# Altium PCB JTAG批量下载板-V1.6-ASCII.PcbDoc (part 8 of 14) (continued)
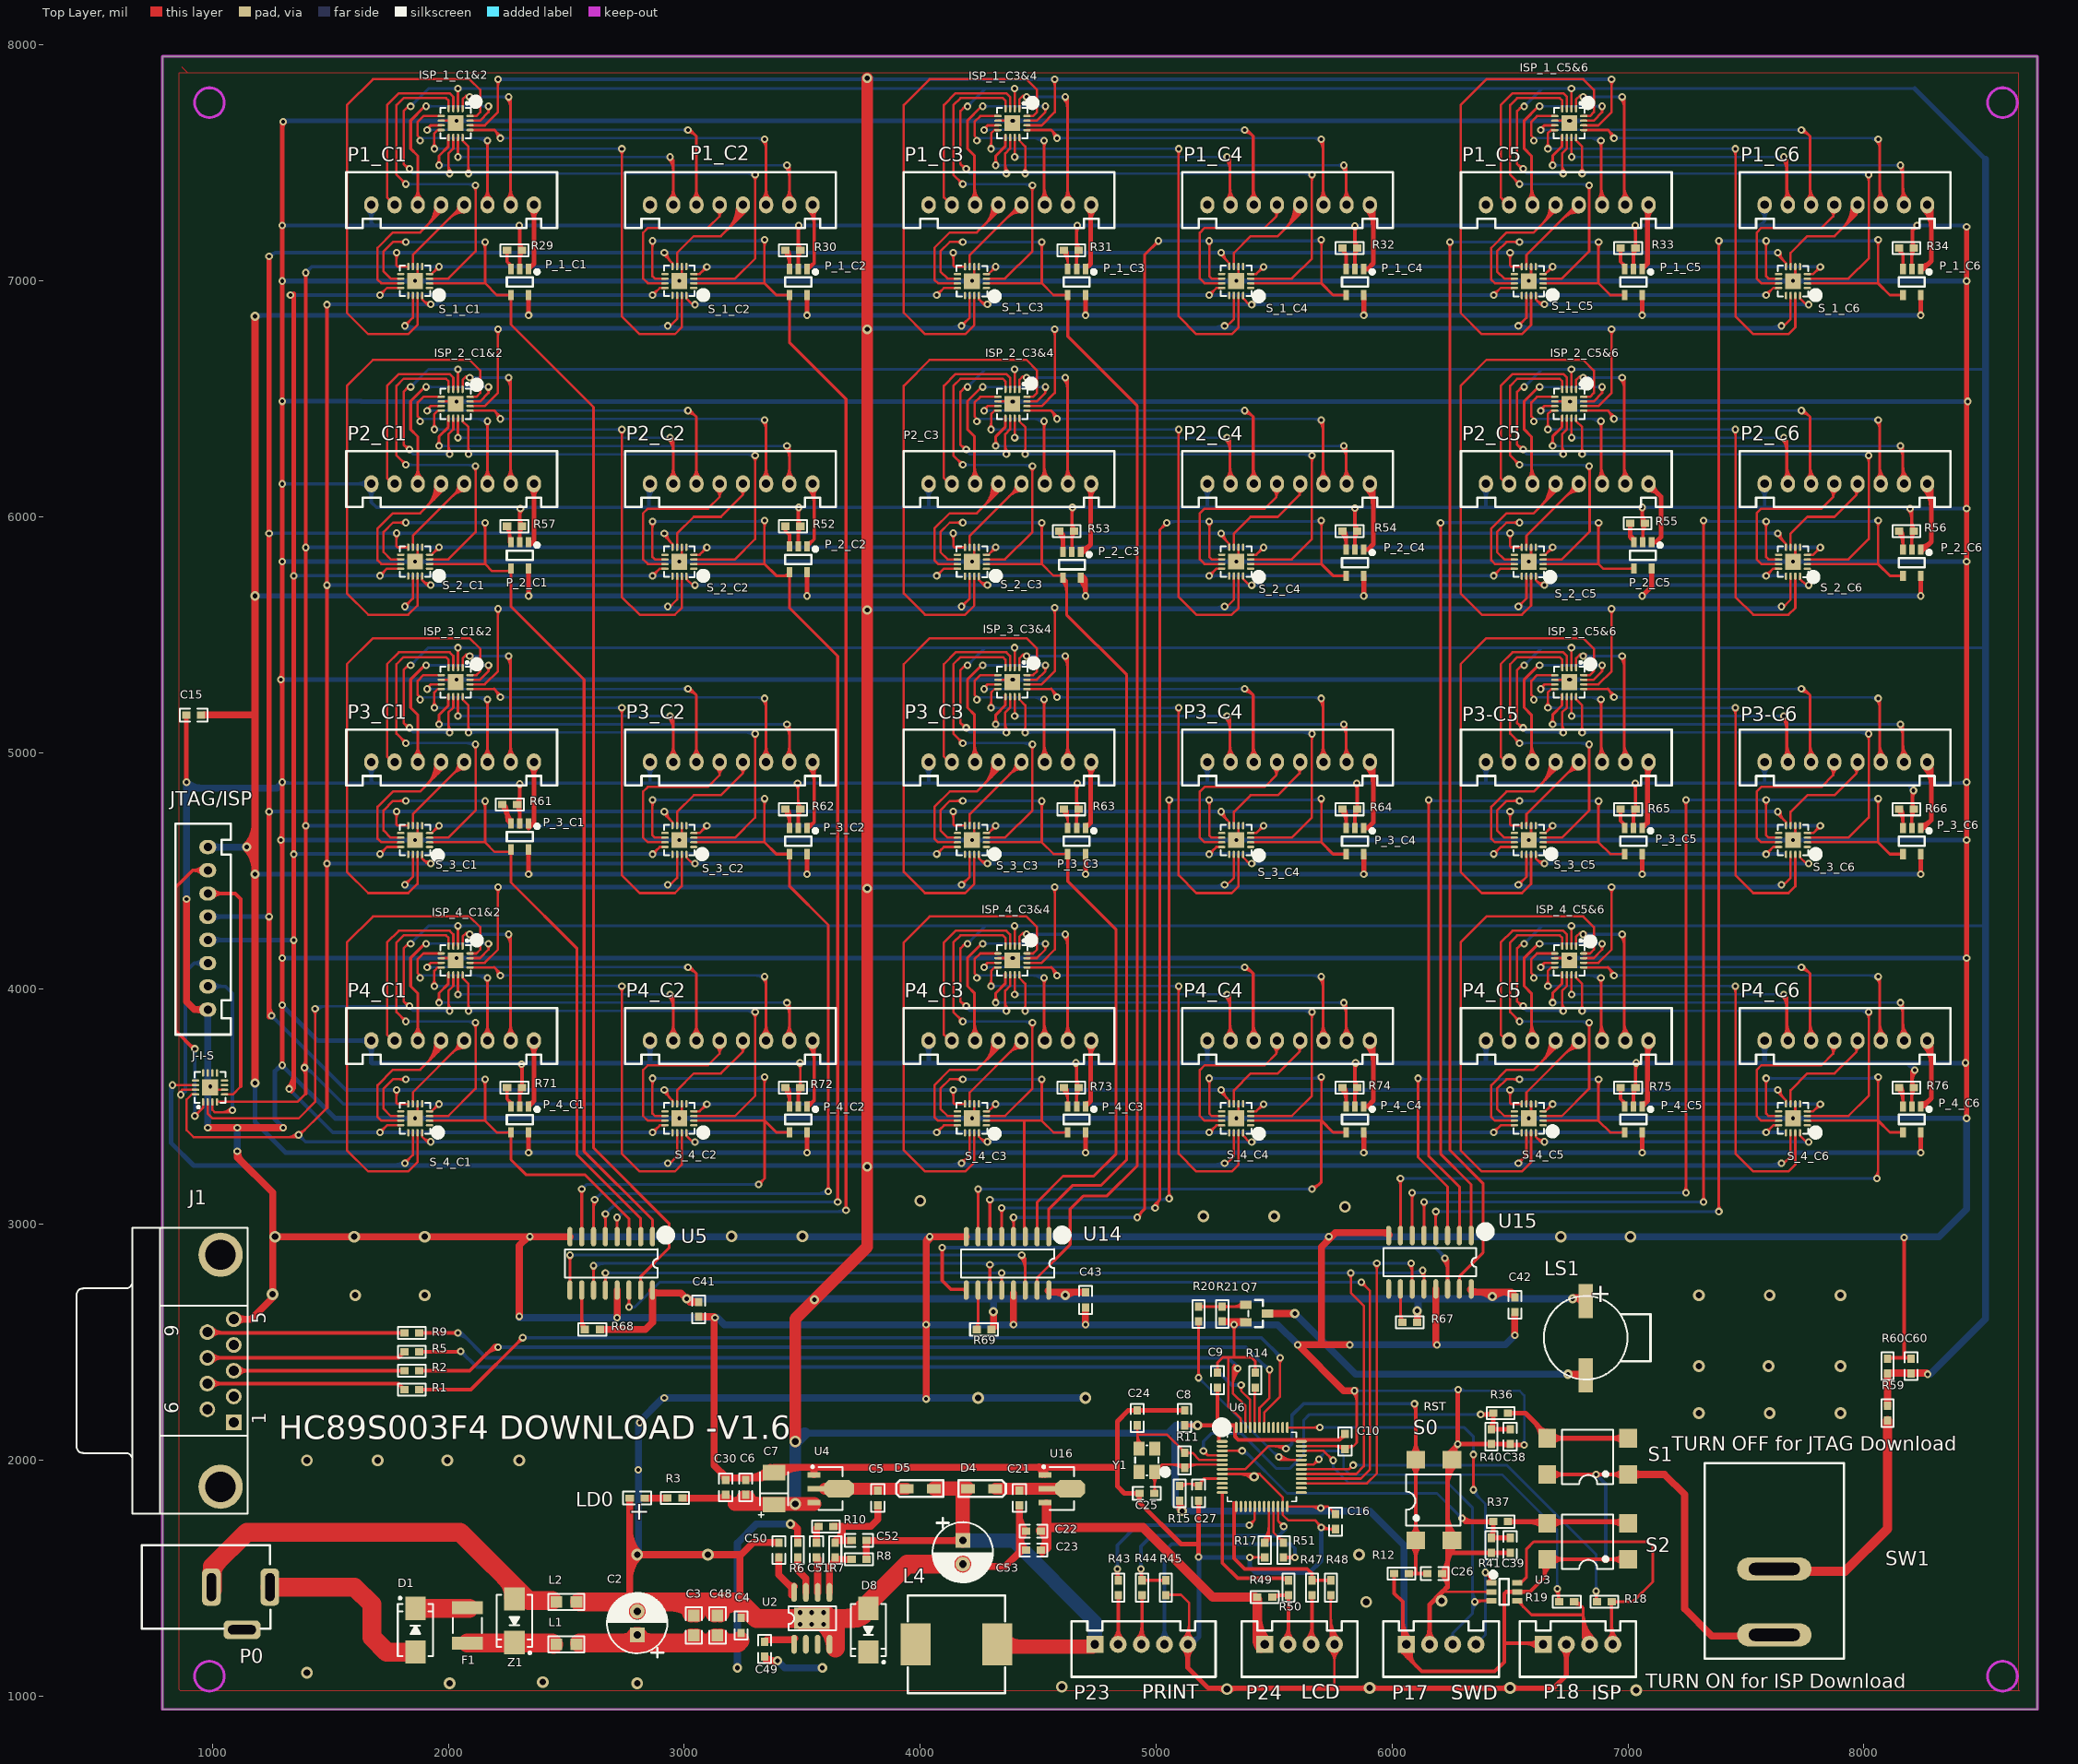
[diagram p0: Top Layer view]
## Nets (pads, with @x,y where several pads share a name; then routed paths per layer and width w, separated by ;. In a path a pad name is that pad's centre, name@x,y a point inside that pad or via, vN(x,y) a via of type N, cw(c..) or ccw(c..) an arc to the next point about the centre after c; other vN are vias at no path point) (continued)
  Bottom Layer w20: 8214.45,7815.55 8515,7515
  Bottom Layer w30: v1@8280,2365 8515,2600 8515,7515 ; v1@8270,2366 ccw(c8270,2392.56) 8288.78,2373.78 cw(c8270,2392.56) v1@8270,2366
  other v1: 1435,3915 4195,3925.55 6555,3925.55 1835,5105.55 4195,5105.55 6555,5105.55 1835,6285.55 4195,6285.55 6555,6285.55 1835,7475.55 4195,7475.55 6555,7475.55
JTAG_3.3V: J1.1
JTAG_BUSY: R5.2 U6.45 | length 4521
  Top Layer w10: v1(5360,2320) 5360,2295 ; U6.45@5398.11,2139.06 5398.11,2256.89 5360,2295 ; v1@5352.57,2311.89 cw(c5337.09,2295) 5360,2295 ; v1@5352.57,2311.89 cw(c5337.09,2295) 5360,2295 ; v1@5352.57,2311.89 cw(c5337.09,2295) 5360,2295 ; v1@5352.57,2311.89 cw(c5337.09,2295) 5360,2295 ; v1@5352.57,2311.89 cw(c5337.09,2295) 5360,2295 ; 5360,2295 cw(c5382.91,2295) v1@5367.43,2311.89 ; 5360,2295 cw(c5382.91,2295) v1@5367.43,2311.89 ; 5360,2295 cw(c5382.91,2295) v1@5367.43,2311.89 ; 5360,2295 cw(c5382.91,2295) v1@5367.43,2311.89 ; 5360,2295 cw(c5382.91,2295) v1@5367.43,2311.89
  Top Layer w15: R5.2@1875,2460 v1@2050,2460 ; R5.2@1884.3,2454.17 cw(c1898.38,2440.09) 1898.38,2460 ; R5.2@1884.3,2454.17 cw(c1898.38,2440.09) 1898.38,2460 ; R5.2@1884.3,2454.17 cw(c1898.38,2440.09) 1898.38,2460 ; R5.2@1884.3,2454.17 cw(c1898.38,2440.09) 1898.38,2460 ; R5.2@1884.3,2454.17 cw(c1898.38,2440.09) 1898.38,2460 ; R5.2@1884.3,2465.83 ccw(c1898.38,2479.91) 1898.38,2460 ; R5.2@1884.3,2465.83 ccw(c1898.38,2479.91) 1898.38,2460 ; R5.2@1884.3,2465.83 ccw(c1898.38,2479.91) 1898.38,2460 ; R5.2@1884.3,2465.83 ccw(c1898.38,2479.91) 1898.38,2460 ; R5.2@1884.3,2465.83 ccw(c1898.38,2479.91) 1898.38,2460 ; 2025.94,2460 ccw(c2025.94,2489.06) v1@2046.49,2468.51 ; 2025.94,2460 ccw(c2025.94,2489.06) v1@2046.49,2468.51 ; 2025.94,2460 ccw(c2025.94,2489.06) v1@2046.49,2468.51 ; 2025.94,2460 ccw(c2025.94,2489.06) v1@2046.49,2468.51 ; 2025.94,2460 ccw(c2025.94,2489.06) v1@2046.49,2468.51
  Bottom Layer w15: v1(2052.5,2462.5) 2120,2395 5245,2395 5320,2320 v1(5360,2320) ; v1@2052.5,2454 cw(c2052.5,2433.48) 2067.01,2447.99 ; v1@2052.5,2454 cw(c2052.5,2433.48) 2067.01,2447.99 ; v1@2052.5,2454 cw(c2052.5,2433.48) 2067.01,2447.99 ; v1@2052.5,2454 cw(c2052.5,2433.48) 2067.01,2447.99 ; v1@2052.5,2454 cw(c2052.5,2433.48) 2067.01,2447.99 ; v1@2061,2462.5 ccw(c2081.52,2462.5) 2067.01,2447.99 ; v1@2061,2462.5 ccw(c2081.52,2462.5) 2067.01,2447.99 ; v1@2061,2462.5 ccw(c2081.52,2462.5) 2067.01,2447.99 ; v1@2061,2462.5 ccw(c2081.52,2462.5) 2067.01,2447.99 ; v1@2061,2462.5 ccw(c2081.52,2462.5) 2067.01,2447.99 ; 5339.48,2320 cw(c5339.48,2299.48) v1@5353.99,2313.99 ; 5339.48,2320 ccw(c5339.48,2340.52) v1@5353.99,2326.01 ; 5339.48,2320 cw(c5339.48,2299.48) v1@5353.99,2313.99 ; 5339.48,2320 ccw(c5339.48,2340.52) v1@5353.99,2326.01 ; 5339.48,2320 cw(c5339.48,2299.48) v1@5353.99,2313.99 ; 5339.48,2320 ccw(c5339.48,2340.52) v1@5353.99,2326.01 ; 5339.48,2320 cw(c5339.48,2299.48) v1@5353.99,2313.99 ; 5339.48,2320 ccw(c5339.48,2340.52) v1@5353.99,2326.01 ; 5339.48,2320 cw(c5339.48,2299.48) v1@5353.99,2313.99 ; 5339.48,2320 ccw(c5339.48,2340.52) v1@5353.99,2326.01
JTAG_FAIL: R9.2 U6.46 | length 4608.9
  Top Layer w10: 5325,2315.16 cw(c5419.84,2315.16) v1@5352.78,2382.22 ; 5325,2339.3 cw(c5395.7,2339.3) v1@5345.71,2389.29 ; 5325,2363.44 cw(c5371.56,2363.44) v1@5338.64,2396.36 ; 5325,2387.59 cw(c5347.41,2387.59) 5331.56,2403.44 ; 5326.76,2386.76 cw(c5337.18,2376.33) v1@5344.5,2389.13 ; v1@5335,2395 5325,2385 5325,2285 5378.43,2231.57 U6.46@5378.43,2139.06
  Top Layer w15: R9.2@1885,2540 v1(2040,2540) ; R9.2@1884.3,2534.17 cw(c1898.38,2520.09) 1898.38,2540 ; R9.2@1884.3,2534.17 cw(c1898.38,2520.09) 1898.38,2540 ; R9.2@1884.3,2534.17 cw(c1898.38,2520.09) 1898.38,2540 ; R9.2@1884.3,2534.17 cw(c1898.38,2520.09) 1898.38,2540 ; R9.2@1884.3,2534.17 cw(c1898.38,2520.09) 1898.38,2540 ; R9.2@1884.3,2545.83 ccw(c1898.38,2559.91) 1898.38,2540 ; R9.2@1884.3,2545.83 ccw(c1898.38,2559.91) 1898.38,2540 ; R9.2@1884.3,2545.83 ccw(c1898.38,2559.91) 1898.38,2540 ; R9.2@1884.3,2545.83 ccw(c1898.38,2559.91) 1898.38,2540 ; R9.2@1884.3,2545.83 ccw(c1898.38,2559.91) 1898.38,2540 ; 2019.48,2540 cw(c2019.48,2519.48) v1@2033.99,2533.99 ; 2019.48,2540 ccw(c2019.48,2560.52) v1@2033.99,2546.01 ; 2019.48,2540 cw(c2019.48,2519.48) v1@2033.99,2533.99 ; 2019.48,2540 ccw(c2019.48,2560.52) v1@2033.99,2546.01 ; 2019.48,2540 cw(c2019.48,2519.48) v1@2033.99,2533.99 ; 2019.48,2540 ccw(c2019.48,2560.52) v1@2033.99,2546.01 ; 2019.48,2540 cw(c2019.48,2519.48) v1@2033.99,2533.99 ; 2019.48,2540 ccw(c2019.48,2560.52) v1@2033.99,2546.01 ; 2019.48,2540 cw(c2019.48,2519.48) v1@2033.99,2533.99 ; 2019.48,2540 ccw(c2019.48,2560.52) v1@2033.99,2546.01
  Bottom Layer w15: v1(2040,2540) 2055,2540 2160,2435 5305,2435 5345,2395 v1(5345,2390) ; v1@2040,2531.5 cw(c2040,2474.77) 2080.12,2514.88 ; v1@2040,2531.5 cw(c2040,2474.77) 2080.12,2514.88 ; v1@2040,2531.5 cw(c2040,2474.77) 2080.12,2514.88 ; v1@2040,2531.5 cw(c2040,2474.77) 2080.12,2514.88 ; 5326.95,2413.05 cw(c5303.91,2390) v1@5336.5,2390 ; 5326.95,2413.05 cw(c5303.91,2390) v1@5336.5,2390 ; 5326.95,2413.05 cw(c5303.91,2390) v1@5336.5,2390 ; 5326.95,2413.05 cw(c5303.91,2390) v1@5336.5,2390
JTAG_OK: R2.2 U6.43 | length 5377.7
  Top Layer w10: U6.43@5437.48,2139.06 5437.48,2222.48 5480,2265 v1(5480,2385) ; v1@5472.22,2377.22 cw(c5453.44,2358.44) 5480,2358.44 ; v1@5472.22,2377.22 cw(c5453.44,2358.44) 5480,2358.44 ; v1@5472.22,2377.22 cw(c5453.44,2358.44) 5480,2358.44 ; v1@5472.22,2377.22 cw(c5453.44,2358.44) 5480,2358.44 ; v1@5472.22,2377.22 cw(c5453.44,2358.44) 5480,2358.44 ; 5480,2358.44 cw(c5506.56,2358.44) v1@5487.78,2377.22 ; 5480,2358.44 cw(c5506.56,2358.44) v1@5487.78,2377.22 ; 5480,2358.44 cw(c5506.56,2358.44) v1@5487.78,2377.22 ; 5480,2358.44 cw(c5506.56,2358.44) v1@5487.78,2377.22 ; 5480,2358.44 cw(c5506.56,2358.44) v1@5487.78,2377.22
  Top Layer w15: R2.2@1876.5,2380 2090,2380 2190,2480 ; v1(2210,2480) 2190,2480 ; R2.2@1884.3,2374.17 cw(c1898.38,2360.09) 1898.38,2380 ; R2.2@1884.3,2374.17 cw(c1898.38,2360.09) 1898.38,2380 ; R2.2@1884.3,2374.17 cw(c1898.38,2360.09) 1898.38,2380 ; R2.2@1884.3,2374.17 cw(c1898.38,2360.09) 1898.38,2380 ; R2.2@1884.3,2374.17 cw(c1898.38,2360.09) 1898.38,2380 ; R2.2@1884.3,2385.83 ccw(c1898.38,2399.91) 1898.38,2380 ; R2.2@1884.3,2385.83 ccw(c1898.38,2399.91) 1898.38,2380 ; R2.2@1884.3,2385.83 ccw(c1898.38,2399.91) 1898.38,2380 ; R2.2@1884.3,2385.83 ccw(c1898.38,2399.91) 1898.38,2380 ; R2.2@1884.3,2385.83 ccw(c1898.38,2399.91) 1898.38,2380 ; 2161.35,2451.35 cw(c2210,2402.69) v1@2210,2471.5 ; 2161.35,2451.35 cw(c2210,2402.69) v1@2210,2471.5 ; 2161.35,2451.35 cw(c2210,2402.69) v1@2210,2471.5 ; 2161.35,2451.35 cw(c2210,2402.69) v1@2210,2471.5 ; 2161.35,2451.35 cw(c2210,2402.69) v1@2210,2471.5 ; 2180,2470 cw(c2194.49,2455.51) v1@2205.45,2472.82 ; 2180,2470 cw(c2194.49,2455.51) v1@2205.45,2472.82 ; 2180,2470 cw(c2194.49,2455.51) v1@2205.45,2472.82 ; 2180,2470 cw(c2194.49,2455.51) v1@2205.45,2472.82 ; 2180,2470 cw(c2194.49,2455.51) v1@2205.45,2472.82 ; 2186.95,2476.95 cw(c2210,2453.91) v1@2210,2486.5 ; 2186.95,2476.95 cw(c2210,2453.91) v1@2210,2486.5 ; 2186.95,2476.95 cw(c2210,2453.91) v1@2210,2486.5 ; 2186.95,2476.95 cw(c2210,2453.91) v1@2210,2486.5 ; 2186.95,2476.95 cw(c2210,2453.91) v1@2210,2486.5 ; 2190,2480 cw(c2190,2460.72) v1@2203.88,2474.1 ; 2190,2480 ccw(c2190,2499.28) v1@2203.88,2485.9 ; 2190,2480 cw(c2190,2460.72) v1@2203.88,2474.1 ; 2190,2480 ccw(c2190,2499.28) v1@2203.88,2485.9 ; 2190,2480 cw(c2190,2460.72) v1@2203.88,2474.1 ; 2190,2480 ccw(c2190,2499.28) v1@2203.88,2485.9 ; 2190,2480 cw(c2190,2460.72) v1@2203.88,2474.1 ; 2190,2480 ccw(c2190,2499.28) v1@2203.88,2485.9 ; 2190,2480 cw(c2190,2460.72) v1@2203.88,2474.1 ; 2190,2480 ccw(c2190,2499.28) v1@2203.88,2485.9 ; 2193.25,2483.25 cw(c2204.76,2471.74) v1@2213.48,2485.49 ; 2193.25,2483.25 cw(c2204.76,2471.74) v1@2213.48,2485.49 ; 2193.25,2483.25 cw(c2204.76,2471.74) v1@2213.48,2485.49 ; 2193.25,2483.25 cw(c2204.76,2471.74) v1@2213.48,2485.49 ; 2193.25,2483.25 cw(c2204.76,2471.74) v1@2213.48,2485.49
  Bottom Layer w15: v1(2210,2480) 5380,2480 5475,2385 v1(5480,2385) ; v1@2216.01,2473.99 cw(c2230.52,2459.48) 2230.52,2480 ; v1@2216.01,2473.99 cw(c2230.52,2459.48) 2230.52,2480 ; v1@2216.01,2473.99 cw(c2230.52,2459.48) 2230.52,2480 ; v1@2216.01,2473.99 cw(c2230.52,2459.48) 2230.52,2480 ; v1@2216.01,2473.99 cw(c2230.52,2459.48) 2230.52,2480 ; v1@2216.01,2486.01 ccw(c2230.52,2500.52) 2230.52,2480 ; v1@2216.01,2486.01 ccw(c2230.52,2500.52) 2230.52,2480 ; v1@2216.01,2486.01 ccw(c2230.52,2500.52) 2230.52,2480 ; v1@2216.01,2486.01 ccw(c2230.52,2500.52) 2230.52,2480 ; v1@2216.01,2486.01 ccw(c2230.52,2500.52) 2230.52,2480 ; 5456.95,2403.05 ccw(c5480,2426.09) v1@5480,2393.5 ; 5456.95,2403.05 ccw(c5480,2426.09) v1@5480,2393.5 ; 5456.95,2403.05 ccw(c5480,2426.09) v1@5480,2393.5 ; 5456.95,2403.05 ccw(c5480,2426.09) v1@5480,2393.5
JTAG_START: R1.2 U6.42 | length 4891.5
  Top Layer w10: U6.42@5457.17,2139.06 5457.17,2202.17 5525,2270 v1(5525,2435) ; v1@5517.22,2427.22 cw(c5498.44,2408.44) 5525,2408.44 ; v1@5517.22,2427.22 cw(c5498.44,2408.44) 5525,2408.44 ; v1@5517.22,2427.22 cw(c5498.44,2408.44) 5525,2408.44 ; v1@5517.22,2427.22 cw(c5498.44,2408.44) 5525,2408.44 ; v1@5517.22,2427.22 cw(c5498.44,2408.44) 5525,2408.44 ; 5525,2408.44 cw(c5551.56,2408.44) v1@5532.78,2427.22 ; 5525,2408.44 cw(c5551.56,2408.44) v1@5532.78,2427.22 ; 5525,2408.44 cw(c5551.56,2408.44) v1@5532.78,2427.22 ; 5525,2408.44 cw(c5551.56,2408.44) v1@5532.78,2427.22 ; 5525,2408.44 cw(c5551.56,2408.44) v1@5532.78,2427.22
  Top Layer w15: R1.2@1876.5,2300 2095,2300 v1(2315,2520) ; R1.2@1884.3,2294.17 cw(c1898.38,2280.09) 1898.38,2300 ; R1.2@1884.3,2294.17 cw(c1898.38,2280.09) 1898.38,2300 ; R1.2@1884.3,2294.17 cw(c1898.38,2280.09) 1898.38,2300 ; R1.2@1884.3,2294.17 cw(c1898.38,2280.09) 1898.38,2300 ; R1.2@1884.3,2294.17 cw(c1898.38,2280.09) 1898.38,2300 ; R1.2@1884.3,2305.83 ccw(c1898.38,2319.91) 1898.38,2300 ; R1.2@1884.3,2305.83 ccw(c1898.38,2319.91) 1898.38,2300 ; R1.2@1884.3,2305.83 ccw(c1898.38,2319.91) 1898.38,2300 ; R1.2@1884.3,2305.83 ccw(c1898.38,2319.91) 1898.38,2300 ; R1.2@1884.3,2305.83 ccw(c1898.38,2319.91) 1898.38,2300 ; 2300.49,2505.49 cw(c2315,2490.98) v1@2315,2511.5 ; 2300.49,2505.49 ccw(c2285.98,2520) v1@2306.5,2520 ; 2300.49,2505.49 cw(c2315,2490.98) v1@2315,2511.5 ; 2300.49,2505.49 ccw(c2285.98,2520) v1@2306.5,2520 ; 2300.49,2505.49 cw(c2315,2490.98) v1@2315,2511.5 ; 2300.49,2505.49 ccw(c2285.98,2520) v1@2306.5,2520 ; 2300.49,2505.49 cw(c2315,2490.98) v1@2315,2511.5 ; 2300.49,2505.49 ccw(c2285.98,2520) v1@2306.5,2520 ; 2300.49,2505.49 cw(c2315,2490.98) v1@2315,2511.5 ; 2300.49,2505.49 ccw(c2285.98,2520) v1@2306.5,2520
  Bottom Layer w15: v1(2315,2520) 5445,2520 5525,2440 v1(5525,2435) ; v1@2321.01,2513.99 cw(c2335.52,2499.48) 2335.52,2520 ; v1@2321.01,2513.99 cw(c2335.52,2499.48) 2335.52,2520 ; v1@2321.01,2513.99 cw(c2335.52,2499.48) 2335.52,2520 ; v1@2321.01,2513.99 cw(c2335.52,2499.48) 2335.52,2520 ; v1@2321.01,2513.99 cw(c2335.52,2499.48) 2335.52,2520 ; v1@2321.01,2526.01 ccw(c2335.52,2540.52) 2335.52,2520 ; v1@2321.01,2526.01 ccw(c2335.52,2540.52) 2335.52,2520 ; v1@2321.01,2526.01 ccw(c2335.52,2540.52) 2335.52,2520 ; v1@2321.01,2526.01 ccw(c2335.52,2540.52) 2335.52,2520 ; v1@2321.01,2526.01 ccw(c2335.52,2540.52) 2335.52,2520 ; 5506.95,2458.05 cw(c5483.91,2435) v1@5516.5,2435 ; 5506.95,2458.05 cw(c5483.91,2435) v1@5516.5,2435 ; 5506.95,2458.05 cw(c5483.91,2435) v1@5516.5,2435 ; 5506.95,2458.05 cw(c5483.91,2435) v1@5516.5,2435
JTAG_TCK: JTAG/ISP.4 S_1_C1.8 S_1_C2.8 S_1_C3.8 S_1_C4.8 S_1_C5.8 S_1_C6.8 S_2_C1.8 S_2_C2.8 S_2_C3.8 S_2_C4.8 S_2_C5.8 S_2_C6.8 S_3_C1.8 S_3_C2.8 S_3_C3.8 S_3_C4.8 S_3_C5.8 S_3_C6.8 S_4_C1.8 S_4_C2.8 S_4_C3.8 S_4_C4.8 S_4_C5.8 S_4_C6.8 | length 37046.1
  Top Layer w10: v1(1780,3570.55) 1780,3515.55 1784.45,3511.1 S_4_C1.8@1829.45,3511.05 ; v1(1780,4750.55) 1780,4695.55 1784.45,4691.1 S_3_C1.8@1829.45,4691.05 ; v1(1780,5930.55) 1780,5875.55 1784.45,5871.1 S_2_C1.8@1829.45,5871.05 ; v1(1780,7120.55) 1780,7065.55 1784.45,7061.1 S_1_C1.8@1829.45,7061.1 ; v1(2915,3570) 2915,3560 2949.45,3525.55 S_4_C2.8@2949.45,3511.05 ; v1(2915,4750) 2915,4740 2949.45,4705.55 S_3_C2.8@2949.45,4691.05 ; v1(2915,5930) 2915,5920 2949.45,5885.55 S_2_C2.8@2949.45,5871.1 ; v1(2915,7120) 2915,7110 2949.45,7075.55 S_1_C2.8@2949.45,7061.1 ; v1(4140,3570.55) 4140,3515.55 4144.45,3511.1 S_4_C3.8@4189.45,3511.05 ; v1(4140,4750.55) 4140,4695.55 4144.45,4691.1 S_3_C3.8@4189.45,4691.05 ; v1(4140,5930.55) 4140,5875.55 4144.45,5871.1 S_2_C3.8@4189.45,5871.1 ; v1(4140,7120.55) 4140,7065.55 4144.45,7061.1 S_1_C3.8@4189.45,7061.1 ; v1(5275,3570) 5275,3560 5309.45,3525.55 S_4_C4.8@5309.45,3511.05 ; v1(5275,4750) 5275,4740 5309.45,4705.55 S_3_C4.8@5309.45,4691.05 ; v1(5275,5930) 5275,5920 5309.45,5885.55 S_2_C4.8@5309.45,5871.05 ; v1(5275,7120) 5275,7110 5309.45,7075.55 S_1_C4.8@5309.45,7061.05 ; v1(6500,3570.55) 6500,3515.55 6504.45,3511.1 S_4_C5.8@6549.45,3511.05 ; v1(6500,4750.55) 6500,4695.55 6504.45,4691.1 S_3_C5.8@6549.45,4691.05 ; v1(6500,5930.55) 6500,5875.55 6504.45,5871.1 S_2_C5.8@6549.45,5871.1 ; v1(6500,7120.55) 6500,7065.55 6504.45,7061.1 S_1_C5.8@6549.45,7061.1 ; v1(7635,3570) 7635,3560 7669.45,3525.55 S_4_C6.8@7669.45,3511.05 ; v1(7635,4750) 7635,4740 7669.45,4705.55 S_3_C6.8@7669.45,4691.05 ; v1(7635,5930) 7635,5920 7669.45,5885.55 S_2_C6.8@7669.45,5871.1 ; v1(7635,7120) 7635,7110 7669.45,7075.55 S_1_C6.8@7669.45,7061.1 ; 1780,3543.99 cw(c1806.56,3543.99) 1787.78,3562.77 ccw(c1806.56,3543.99) 1780,3543.99 ; 1780,3543.99 ccw(c1753.44,3543.99) 1772.22,3562.77 cw(c1753.44,3543.99) 1780,3543.99 ; 1780,4723.99 cw(c1806.56,4723.99) 1787.78,4742.77 ccw(c1806.56,4723.99) 1780,4723.99 ; 1780,4723.99 ccw(c1753.44,4723.99) 1772.22,4742.77 cw(c1753.44,4723.99) 1780,4723.99 ; 1780,5903.99 cw(c1806.56,5903.99) 1787.78,5922.77 ccw(c1806.56,5903.99) 1780,5903.99 ; 1780,5903.99 ccw(c1753.44,5903.99) 1772.22,5922.77 cw(c1753.44,5903.99) 1780,5903.99 ; 1780,7093.99 cw(c1806.56,7093.99) 1787.78,7112.77 ccw(c1806.56,7093.99) 1780,7093.99 ; 1780,7093.99 ccw(c1753.44,7093.99) 1772.22,7112.77 cw(c1753.44,7093.99) 1780,7093.99 ; 4140,3543.99 cw(c4166.56,3543.99) 4147.78,3562.77 ccw(c4166.56,3543.99) 4140,3543.99 ; 4140,3543.99 ccw(c4113.44,3543.99) 4132.22,3562.77 cw(c4113.44,3543.99) 4140,3543.99 ; 4140,4723.99 cw(c4166.56,4723.99) 4147.78,4742.77 ccw(c4166.56,4723.99) 4140,4723.99 ; 4140,4723.99 ccw(c4113.44,4723.99) 4132.22,4742.77 cw(c4113.44,4723.99) 4140,4723.99 ; 4140,5903.99 cw(c4166.56,5903.99) 4147.78,5922.77 ccw(c4166.56,5903.99) 4140,5903.99 ; 4140,5903.99 ccw(c4113.44,5903.99) 4132.22,5922.77 cw(c4113.44,5903.99) 4140,5903.99 ; 4140,7093.99 cw(c4166.56,7093.99) 4147.78,7112.77 ccw(c4166.56,7093.99) 4140,7093.99 ; 4140,7093.99 ccw(c4113.44,7093.99) 4132.22,7112.77 cw(c4113.44,7093.99) 4140,7093.99 ; 6500,3543.99 cw(c6526.56,3543.99) 6507.78,3562.77 ccw(c6526.56,3543.99) 6500,3543.99 ; 6500,3543.99 ccw(c6473.44,3543.99) 6492.22,3562.77 cw(c6473.44,3543.99) 6500,3543.99 ; 6500,4723.99 cw(c6526.56,4723.99) 6507.78,4742.77 ccw(c6526.56,4723.99) 6500,4723.99 ; 6500,4723.99 ccw(c6473.44,4723.99) 6492.22,4742.77 cw(c6473.44,4723.99) 6500,4723.99 ; 6500,5903.99 cw(c6526.56,5903.99) 6507.78,5922.77 ccw(c6526.56,5903.99) 6500,5903.99 ; 6500,5903.99 ccw(c6473.44,5903.99) 6492.22,5922.77 cw(c6473.44,5903.99) 6500,5903.99 ; 6500,7093.99 cw(c6526.56,7093.99) 6507.78,7112.77 ccw(c6526.56,7093.99) 6500,7093.99 ; 6500,7093.99 ccw(c6473.44,7093.99) 6492.22,7112.77 cw(c6473.44,7093.99) 6500,7093.99 ; v1@2916,3570 ccw(c2942.56,3570) 2923.78,3551.22 cw(c2942.56,3570) v1@2916,3570 ; v1@2916,4750 ccw(c2942.56,4750) 2923.78,4731.22 cw(c2942.56,4750) v1@2916,4750 ; v1@2916,5930 ccw(c2942.56,5930) 2923.78,5911.22 cw(c2942.56,5930) v1@2916,5930 ; v1@2916,7120 ccw(c2942.56,7120) 2923.78,7101.22 cw(c2942.56,7120) v1@2916,7120 ; v1@2926,3570 ccw(c2976.7,3570) 2940.85,3534.15 cw(c2976.7,3570) v1@2926,3570 ; v1@2926,4750 ccw(c2976.7,4750) 2940.85,4714.15 cw(c2976.7,4750) v1@2926,4750 ; v1@2926,5930 ccw(c2976.7,5930) 2940.85,5894.15 cw(c2976.7,5930) v1@2926,5930 ; v1@2926,7120 ccw(c2976.7,7120) 2940.85,7084.15 cw(c2976.7,7120) v1@2926,7120 ; v1@5276,3570 ccw(c5302.56,3570) 5283.78,3551.22 cw(c5302.56,3570) v1@5276,3570 ; v1@5276,4750 ccw(c5302.56,4750) 5283.78,4731.22 cw(c5302.56,4750) v1@5276,4750 ; v1@5276,5930 ccw(c5302.56,5930) 5283.78,5911.22 cw(c5302.56,5930) v1@5276,5930 ; v1@5276,7120 ccw(c5302.56,7120) 5283.78,7101.22 cw(c5302.56,7120) v1@5276,7120 ; v1@5286,3570 ccw(c5336.7,3570) 5300.85,3534.15 cw(c5336.7,3570) v1@5286,3570 ; v1@5286,4750 ccw(c5336.7,4750) 5300.85,4714.15 cw(c5336.7,4750) v1@5286,4750 ; v1@5286,5930 ccw(c5336.7,5930) 5300.85,5894.15 cw(c5336.7,5930) v1@5286,5930 ; v1@5286,7120 ccw(c5336.7,7120) 5300.85,7084.15 cw(c5336.7,7120) v1@5286,7120 ; v1@7636,3570 ccw(c7662.56,3570) 7643.78,3551.22 cw(c7662.56,3570) v1@7636,3570 ; v1@7636,4750 ccw(c7662.56,4750) 7643.78,4731.22 cw(c7662.56,4750) v1@7636,4750 ; v1@7636,5930 ccw(c7662.56,5930) 7643.78,5911.22 cw(c7662.56,5930) v1@7636,5930 ; v1@7636,7120 ccw(c7662.56,7120) 7643.78,7101.22 cw(c7662.56,7120) v1@7636,7120 ; v1@7646,3570 ccw(c7696.7,3570) 7660.85,3534.15 cw(c7696.7,3570) v1@7646,3570 ; v1@7646,4750 ccw(c7696.7,4750) 7660.85,4714.15 cw(c7696.7,4750) v1@7646,4750 ; v1@7646,5930 ccw(c7696.7,5930) 7660.85,5894.15 cw(c7696.7,5930) v1@7646,5930 ; v1@7646,7120 ccw(c7696.7,7120) 7660.85,7084.15 cw(c7696.7,7120) v1@7646,7120
  Top Layer w20: v1@1240,3880 v1(1240,7105) ; 1240,3923.63 ccw(c1288.63,3923.63) 1254.24,3889.24 cw(c1288.63,3923.63) 1240,3923.63
  Bottom Layer w15: v1(1240,7105) 1265,7120 1805,7120 ; v1@1240.55,4750.55 v1@7635,4750.55 ; v1@1240.55,5930.55 v1@7635,5930.55 ; v1(1250,3885) 1565,3570 1815,3570 ; 1805,7120.55 v1@7635,7120.55 ; 1815,3570.55 v1@7635,3570.55 ; 1257.6,7115.56 cw(c1247.04,7133.15) 1242.06,7113.25 ccw(c1247.04,7133.15) 1257.6,7115.56 ; 1257.6,7115.56 ccw(c1268.15,7097.96) 1248.25,7102.94 cw(c1268.15,7097.96) 1257.6,7115.56 ; 1264.51,3870.49 cw(c1279.02,3885) 1258.5,3885 ccw(c1279.02,3885) 1264.51,3870.49 ; 1264.51,3870.49 ccw(c1250,3855.98) 1250,3876.5 cw(c1250,3855.98) 1264.51,3870.49 ; 1759.48,4750.55 cw(c1759.48,4730.03) 1773.99,4744.54 ccw(c1759.48,4730.03) 1759.48,4750.55 ; 1759.48,4750.55 ccw(c1759.48,4771.07) 1773.99,4756.56 cw(c1759.48,4771.07) 1759.48,4750.55 ; 1759.48,5930.55 cw(c1759.48,5910.03) 1773.99,5924.54 ccw(c1759.48,5910.03) 1759.48,5930.55 ; 1759.48,5930.55 ccw(c1759.48,5951.07) 1773.99,5936.56 cw(c1759.48,5951.07) 1759.48,5930.55 ; 1800.52,4750.55 cw(c1800.52,4771.07) 1786.01,4756.56 ccw(c1800.52,4771.07) 1800.52,4750.55 ; 1800.52,4750.55 ccw(c1800.52,4730.03) 1786.01,4744.54 cw(c1800.52,4730.03) 1800.52,4750.55 ; 1800.52,5930.55 cw(c1800.52,5951.07) 1786.01,5936.56 ccw(c1800.52,5951.07) 1800.52,5930.55 ; 1800.52,5930.55 ccw(c1800.52,5910.03) 1786.01,5924.54 cw(c1800.52,5910.03) 1800.52,5930.55 ; 4119.48,3570.55 cw(c4119.48,3550.03) 4133.99,3564.54 ccw(c4119.48,3550.03) 4119.48,3570.55 ; 4119.48,3570.55 ccw(c4119.48,3591.07) 4133.99,3576.56 cw(c4119.48,3591.07) 4119.48,3570.55 ; 4119.48,4750.55 cw(c4119.48,4730.03) 4133.99,4744.54 ccw(c4119.48,4730.03) 4119.48,4750.55 ; 4119.48,4750.55 ccw(c4119.48,4771.07) 4133.99,4756.56 cw(c4119.48,4771.07) 4119.48,4750.55 ; 4119.48,5930.55 cw(c4119.48,5910.03) 4133.99,5924.54 ccw(c4119.48,5910.03) 4119.48,5930.55 ; 4119.48,5930.55 ccw(c4119.48,5951.07) 4133.99,5936.56 cw(c4119.48,5951.07) 4119.48,5930.55 ; 4119.48,7120.55 cw(c4119.48,7100.03) 4133.99,7114.54 ccw(c4119.48,7100.03) 4119.48,7120.55 ; 4119.48,7120.55 ccw(c4119.48,7141.07) 4133.99,7126.56 cw(c4119.48,7141.07) 4119.48,7120.55 ; 4160.52,3570.55 cw(c4160.52,3591.07) 4146.01,3576.56 ccw(c4160.52,3591.07) 4160.52,3570.55 ; 4160.52,3570.55 ccw(c4160.52,3550.03) 4146.01,3564.54 cw(c4160.52,3550.03) 4160.52,3570.55 ; 4160.52,4750.55 cw(c4160.52,4771.07) 4146.01,4756.56 ccw(c4160.52,4771.07) 4160.52,4750.55 ; 4160.52,4750.55 ccw(c4160.52,4730.03) 4146.01,4744.54 cw(c4160.52,4730.03) 4160.52,4750.55 ; 4160.52,5930.55 cw(c4160.52,5951.07) 4146.01,5936.56 ccw(c4160.52,5951.07) 4160.52,5930.55 ; 4160.52,5930.55 ccw(c4160.52,5910.03) 4146.01,5924.54 cw(c4160.52,5910.03) 4160.52,5930.55 ; 4160.52,7120.55 cw(c4160.52,7141.07) 4146.01,7126.56 ccw(c4160.52,7141.07) 4160.52,7120.55 ; 4160.52,7120.55 ccw(c4160.52,7100.03) 4146.01,7114.54 cw(c4160.52,7100.03) 4160.52,7120.55 ; 6479.48,3570.55 cw(c6479.48,3550.03) 6493.99,3564.54 ccw(c6479.48,3550.03) 6479.48,3570.55 ; 6479.48,3570.55 ccw(c6479.48,3591.07) 6493.99,3576.56 cw(c6479.48,3591.07) 6479.48,3570.55 ; 6479.48,4750.55 cw(c6479.48,4730.03) 6493.99,4744.54 ccw(c6479.48,4730.03) 6479.48,4750.55 ; 6479.48,4750.55 ccw(c6479.48,4771.07) 6493.99,4756.56 cw(c6479.48,4771.07) 6479.48,4750.55 ; 6479.48,5930.55 cw(c6479.48,5910.03) 6493.99,5924.54 ccw(c6479.48,5910.03) 6479.48,5930.55 ; 6479.48,5930.55 ccw(c6479.48,5951.07) 6493.99,5936.56 cw(c6479.48,5951.07) 6479.48,5930.55 ; 6479.48,7120.55 cw(c6479.48,7100.03) 6493.99,7114.54 ccw(c6479.48,7100.03) 6479.48,7120.55 ; 6479.48,7120.55 ccw(c6479.48,7141.07) 6493.99,7126.56 cw(c6479.48,7141.07) 6479.48,7120.55 ; 6520.52,3570.55 cw(c6520.52,3591.07) 6506.01,3576.56 ccw(c6520.52,3591.07) 6520.52,3570.55 ; 6520.52,3570.55 ccw(c6520.52,3550.03) 6506.01,3564.54 cw(c6520.52,3550.03) 6520.52,3570.55 ; 6520.52,4750.55 cw(c6520.52,4771.07) 6506.01,4756.56 ccw(c6520.52,4771.07) 6520.52,4750.55 ; 6520.52,4750.55 ccw(c6520.52,4730.03) 6506.01,4744.54 cw(c6520.52,4730.03) 6520.52,4750.55 ; 6520.52,5930.55 cw(c6520.52,5951.07) 6506.01,5936.56 ccw(c6520.52,5951.07) 6520.52,5930.55 ; 6520.52,5930.55 ccw(c6520.52,5910.03) 6506.01,5924.54 cw(c6520.52,5910.03) 6520.52,5930.55 ; 6520.52,7120.55 cw(c6520.52,7141.07) 6506.01,7126.56 ccw(c6520.52,7141.07) 6520.52,7120.55 ; 6520.52,7120.55 ccw(c6520.52,7100.03) 6506.01,7114.54 cw(c6520.52,7100.03) 6520.52,7120.55 ; v1@1246.01,4743.99 cw(c1261.85,4728.15) 1261.85,4750.55 ccw(c1261.85,4728.15) v1@1246.01,4743.99 ; v1@1246.01,4756.01 ccw(c1259.19,4769.19) 1259.19,4750.55 cw(c1259.19,4769.19) v1@1246.01,4756.01 ; v1@1246.01,5923.99 cw(c1261.85,5908.15) 1261.85,5930.55 ccw(c1261.85,5908.15) v1@1246.01,5923.99 ; v1@1246.01,5936.01 ccw(c1259.19,5949.19) 1259.19,5930.55 cw(c1259.19,5949.19) v1@1246.01,5936.01 ; 1758.15,3570 ccw(c1758.15,3592.4) 1773.99,3576.56 cw(c1758.15,3592.4) 1758.15,3570 ; 1758.15,7120 ccw(c1758.15,7142.4) 1773.99,7126.56 cw(c1758.15,7142.4) 1758.15,7120 ; 1760.81,3570 cw(c1760.81,3551.36) 1773.99,3564.54 ccw(c1760.81,3551.36) 1760.81,3570 ; 1760.81,7120 cw(c1760.81,7101.36) 1773.99,7114.54 ccw(c1760.81,7101.36) 1760.81,7120 ; v1@1786.01,3564.54 cw(c1799.19,3551.36) 1799.19,3570 ccw(c1799.19,3551.36) v1@1786.01,3564.54 ; v1@1786.01,3576.56 ccw(c1801.85,3592.4) 1801.85,3570 cw(c1801.85,3592.4) v1@1786.01,3576.56 ; v1@1786.01,7114.54 cw(c1799.19,7101.36) 1799.19,7120 ccw(c1799.19,7101.36) v1@1786.01,7114.54 ; v1@1786.01,7126.56 ccw(c1801.85,7142.4) 1801.85,7120 cw(c1801.85,7142.4) v1@1786.01,7126.56 ; 2893.15,3570.55 cw(c2893.15,3548.15) 2908.99,3563.99 ccw(c2893.15,3548.15) 2893.15,3570.55 ; 2893.15,4750.55 cw(c2893.15,4728.15) 2908.99,4743.99 ccw(c2893.15,4728.15) 2893.15,4750.55 ; 2893.15,5930.55 cw(c2893.15,5908.15) 2908.99,5923.99 ccw(c2893.15,5908.15) 2893.15,5930.55 ; 2893.15,7120.55 cw(c2893.15,7098.15) 2908.99,7113.99 ccw(c2893.15,7098.15) 2893.15,7120.55 ; 2895.81,3570.55 ccw(c2895.81,3589.19) 2908.99,3576.01 cw(c2895.81,3589.19) 2895.81,3570.55 ; 2895.81,4750.55 ccw(c2895.81,4769.19) 2908.99,4756.01 cw(c2895.81,4769.19) 2895.81,4750.55 ; 2895.81,5930.55 ccw(c2895.81,5949.19) 2908.99,5936.01 cw(c2895.81,5949.19) 2895.81,5930.55 ; 2895.81,7120.55 ccw(c2895.81,7139.19) 2908.99,7126.01 cw(c2895.81,7139.19) 2895.81,7120.55 ; v1@2921.01,3563.99 cw(c2936.85,3548.15) 2936.85,3570.55 ccw(c2936.85,3548.15) v1@2921.01,3563.99 ; v1@2921.01,3576.01 ccw(c2934.19,3589.19) 2934.19,3570.55 cw(c2934.19,3589.19) v1@2921.01,3576.01 ; v1@2921.01,4743.99 cw(c2936.85,4728.15) 2936.85,4750.55 ccw(c2936.85,4728.15) v1@2921.01,4743.99 ; v1@2921.01,4756.01 ccw(c2934.19,4769.19) 2934.19,4750.55 cw(c2934.19,4769.19) v1@2921.01,4756.01 ; v1@2921.01,5923.99 cw(c2936.85,5908.15) 2936.85,5930.55 ccw(c2936.85,5908.15) v1@2921.01,5923.99 ; v1@2921.01,5936.01 ccw(c2934.19,5949.19) 2934.19,5930.55 cw(c2934.19,5949.19) v1@2921.01,5936.01 ; v1@2921.01,7113.99 cw(c2936.85,7098.15) 2936.85,7120.55 ccw(c2936.85,7098.15) v1@2921.01,7113.99 ; v1@2921.01,7126.01 ccw(c2934.19,7139.19) 2934.19,7120.55 cw(c2934.19,7139.19) v1@2921.01,7126.01 ; 5253.15,3570.55 cw(c5253.15,3548.15) 5268.99,3563.99 ccw(c5253.15,3548.15) 5253.15,3570.55 ; 5253.15,4750.55 cw(c5253.15,4728.15) 5268.99,4743.99 ccw(c5253.15,4728.15) 5253.15,4750.55 ; 5253.15,5930.55 cw(c5253.15,5908.15) 5268.99,5923.99 ccw(c5253.15,5908.15) 5253.15,5930.55 ; 5253.15,7120.55 cw(c5253.15,7098.15) 5268.99,7113.99 ccw(c5253.15,7098.15) 5253.15,7120.55 ; 5255.81,3570.55 ccw(c5255.81,3589.19) 5268.99,3576.01 cw(c5255.81,3589.19) 5255.81,3570.55 ; 5255.81,4750.55 ccw(c5255.81,4769.19) 5268.99,4756.01 cw(c5255.81,4769.19) 5255.81,4750.55 ; 5255.81,5930.55 ccw(c5255.81,5949.19) 5268.99,5936.01 cw(c5255.81,5949.19) 5255.81,5930.55 ; 5255.81,7120.55 ccw(c5255.81,7139.19) 5268.99,7126.01 cw(c5255.81,7139.19) 5255.81,7120.55 ; v1@5281.01,3563.99 cw(c5296.85,3548.15) 5296.85,3570.55 ccw(c5296.85,3548.15) v1@5281.01,3563.99 ; v1@5281.01,3576.01 ccw(c5294.19,3589.19) 5294.19,3570.55 cw(c5294.19,3589.19) v1@5281.01,3576.01 ; v1@5281.01,4743.99 cw(c5296.85,4728.15) 5296.85,4750.55 ccw(c5296.85,4728.15) v1@5281.01,4743.99 ; v1@5281.01,4756.01 ccw(c5294.19,4769.19) 5294.19,4750.55 cw(c5294.19,4769.19) v1@5281.01,4756.01 ; v1@5281.01,5923.99 cw(c5296.85,5908.15) 5296.85,5930.55 ccw(c5296.85,5908.15) v1@5281.01,5923.99 ; v1@5281.01,5936.01 ccw(c5294.19,5949.19) 5294.19,5930.55 cw(c5294.19,5949.19) v1@5281.01,5936.01 ; v1@5281.01,7113.99 cw(c5296.85,7098.15) 5296.85,7120.55 ccw(c5296.85,7098.15) v1@5281.01,7113.99 ; v1@5281.01,7126.01 ccw(c5294.19,7139.19) 5294.19,7120.55 cw(c5294.19,7139.19) v1@5281.01,7126.01 ; 7613.15,3570.55 cw(c7613.15,3548.15) 7628.99,3563.99 ccw(c7613.15,3548.15) 7613.15,3570.55 ; 7613.15,4750.55 cw(c7613.15,4728.15) 7628.99,4743.99 ccw(c7613.15,4728.15) 7613.15,4750.55 ; 7613.15,5930.55 cw(c7613.15,5908.15) 7628.99,5923.99 ccw(c7613.15,5908.15) 7613.15,5930.55 ; 7613.15,7120.55 cw(c7613.15,7098.15) 7628.99,7113.99 ccw(c7613.15,7098.15) 7613.15,7120.55 ; 7615.81,3570.55 ccw(c7615.81,3589.19) 7628.99,3576.01 cw(c7615.81,3589.19) 7615.81,3570.55 ; 7615.81,4750.55 ccw(c7615.81,4769.19) 7628.99,4756.01 cw(c7615.81,4769.19) 7615.81,4750.55 ; 7615.81,5930.55 ccw(c7615.81,5949.19) 7628.99,5936.01 cw(c7615.81,5949.19) 7615.81,5930.55 ; 7615.81,7120.55 ccw(c7615.81,7139.19) 7628.99,7126.01 cw(c7615.81,7139.19) 7615.81,7120.55
  Bottom Layer w20: JTAG/ISP.4@980,4304.72 v1(1240,4304.72) ; JTAG/ISP.4@1000.14,4290.58 cw(c1034.28,4256.44) 1034.28,4304.72 cw(c1034.28,4353.01) JTAG/ISP.4@1000.14,4318.87
  other v1: 1240,4750 1240,5930